# KiCad board USB Cable Tester.kicad_pcb (continued)
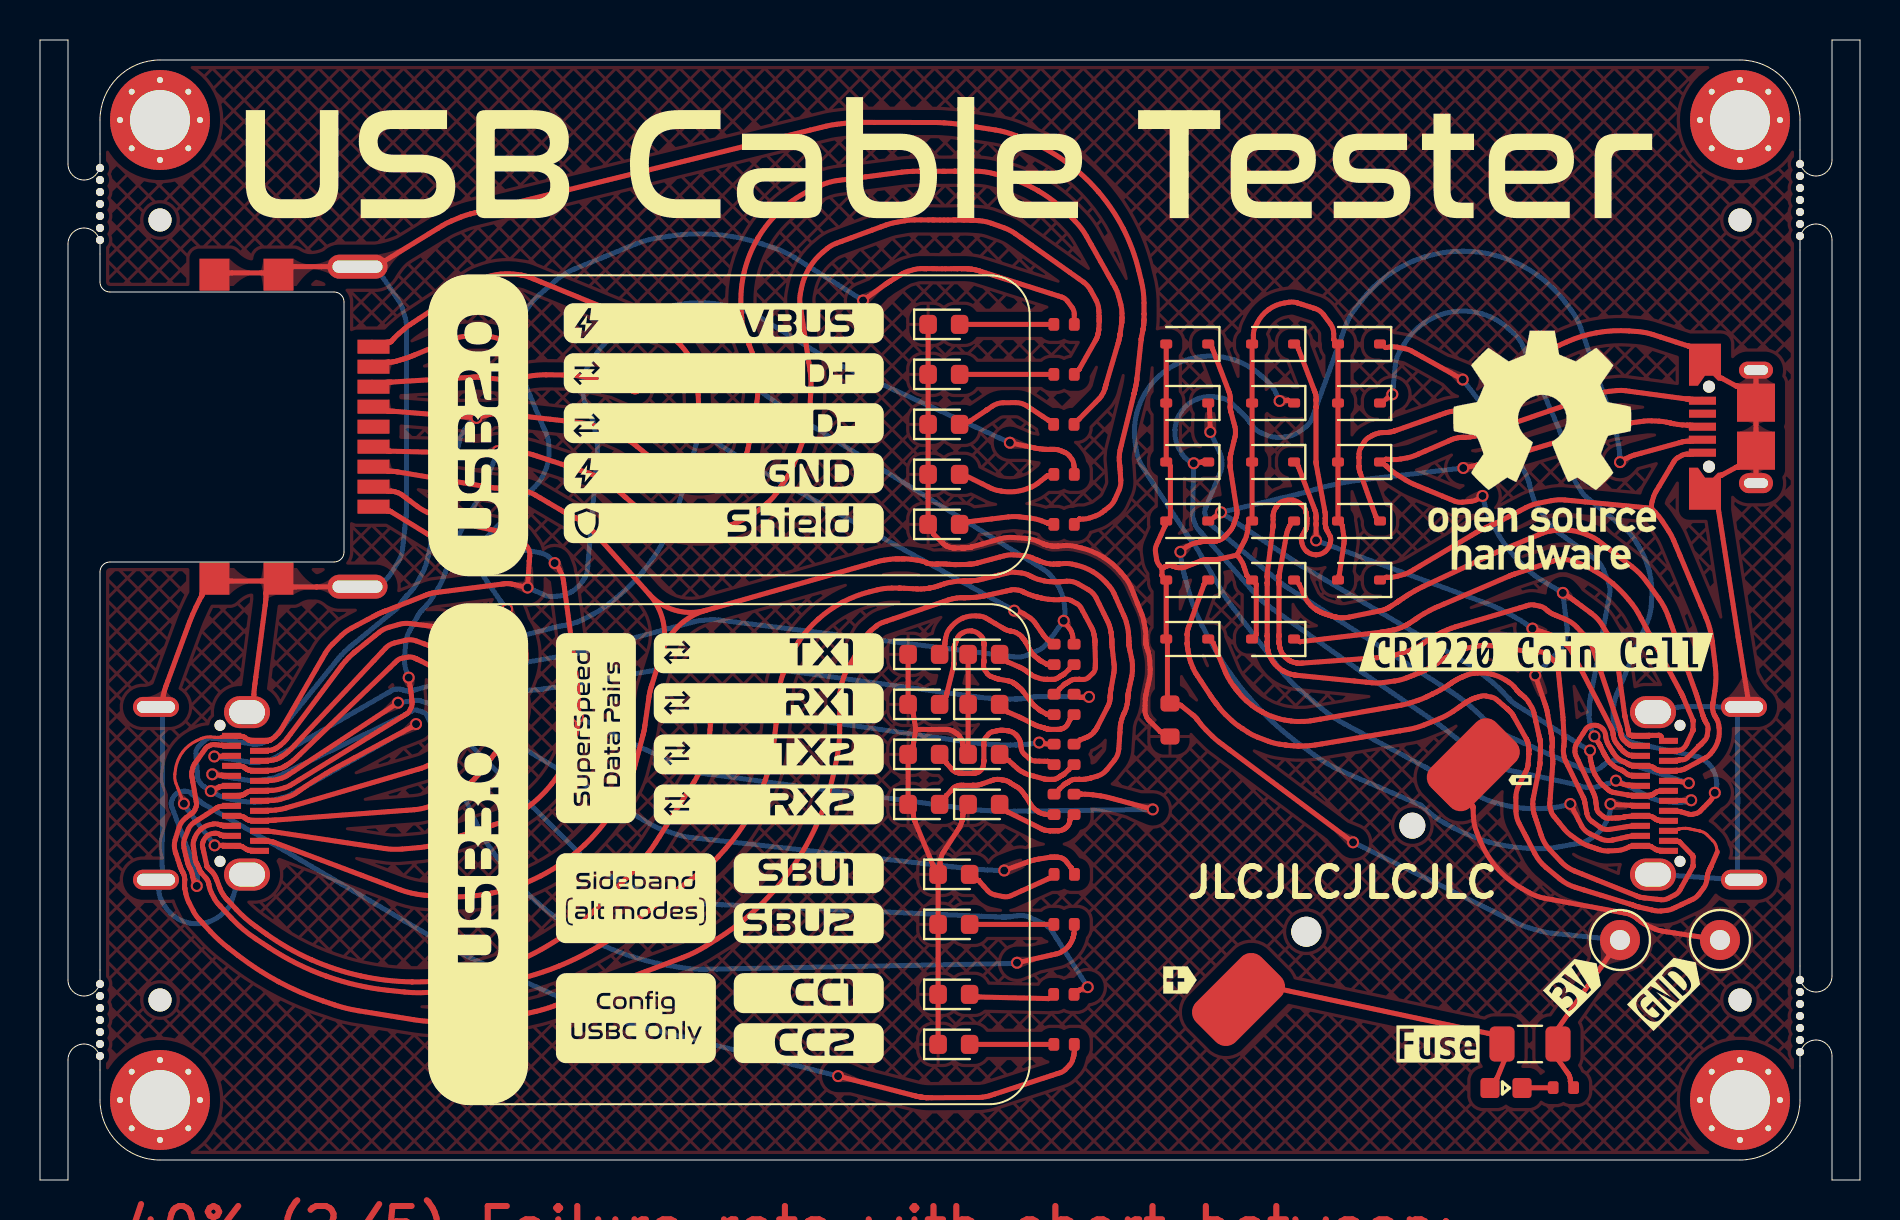
[diagram p0: board, top side]
## Routing (per net, layer and track width the routed paths; a pad name or vN(x,y) marks a point on that pad's centre or on a via; arc(x,y) is an arc through that point) (continued)
Net-(D20-K): length 24.5
  Top w0.25: v1(74.62,27.57) 75.66,27.22 arc(75.85,27.13) 76.02,27.01 76.34,26.74 arc(76.48,26.59) 76.59,26.42 76.88,25.86 78.58,22.58 arc(78.6,22.54) 78.61,22.5 78.64,22.41 arc(78.65,22.37) 78.65,22.33 78.66,22.29 arc(78.66,22.28) 78.66,22.27 arc(78.66,22.26) 78.66,22.26 78.67,22.2 arc(78.68,22.14) 78.7,22.08 78.75,21.96 arc(78.78,21.9) 78.81,21.85 79,21.61 arc(79,21.61) 79.01,21.6 79.02,21.59 arc(79.02,21.59) 79.03,21.58 arc(79.03,21.58) 79.03,21.58 79.14,21.46 arc(79.15,21.45) 79.16,21.44 79.18,21.42 arc(79.2,21.41) 79.21,21.4 79.38,21.28 arc(79.4,21.27) 79.43,21.26 79.48,21.24 arc(79.5,21.24) 79.52,21.23 79.61,21.23 arc(79.67,21.23) 79.74,21.23 J4.A10 ; 62.91,35.68 62.91,35.68 arc(62.92,35.68) 62.92,35.67 63.76,33.45 arc(63.78,33.41) 63.79,33.36 63.8,33.28 arc(63.81,33.24) 63.81,33.19 63.81,33.15 arc(63.81,33.15) 63.81,33.14 63.8,33.13 arc(63.8,33.12) 63.8,33.11 arc(63.8,33.11) 63.8,33.1 63.8,33.08 arc(63.8,33.06) 63.8,33.04 63.8,32.85 arc(63.8,32.84) 63.8,32.82 63.8,32.82 arc(63.8,32.8) 63.8,32.79 arc(63.8,32.78) 63.8,32.77 63.8,32.76 arc(63.8,32.74) 63.8,32.72 v1(63.8,31.98)
  Bottom w0.25: v1(74.62,27.57) 74.32,27.79 arc(74.02,27.99) 73.7,28.17 73.05,28.51 arc(72.72,28.67) 72.38,28.81 71.35,29.19 v1(63.8,31.98)
Net-(D21-K): length 49.2
  Top w0.25: J4.A3 79.74,17.69 arc(79.67,17.68) 79.61,17.68 79.53,17.68 arc(79.51,17.68) 79.48,17.68 79.44,17.68 arc(79.42,17.68) 79.4,17.67 78.47,17.53 arc(78.23,17.54) 78.01,17.64 77.6,17.93 arc(77.43,18.1) 77.34,18.32 77.23,18.96 arc(77.22,18.98) 77.21,19 77.2,19.05 arc(77.19,19.07) 77.18,19.1 77.15,19.16 76.39,20.72 76.26,20.98 arc(76.23,21.07) 76.21,21.17 76.17,21.36 arc(76.17,21.45) 76.17,21.55 76.18,21.64 arc(76.18,21.65) 76.19,21.66 arc(76.19,21.67) 76.19,21.68 76.19,21.72 arc(76.2,21.78) 76.2,21.84 76.21,21.95 arc(76.21,22.01) 76.21,22.06 76.16,22.99 arc(76.15,23.07) 76.15,23.15 arc(76.14,23.22) 76.13,23.3 75.97,24.89 75.9,25.58 arc(75.84,25.79) 75.71,25.96 75.35,26.27 arc(75.16,26.38) 74.95,26.41 74.64,26.4 arc(74.61,26.4) 74.58,26.4 74.52,26.4 arc(74.49,26.41) 74.46,26.41 74.38,26.42 73.51,26.56 72.57,26.72 arc(72.25,26.74) 71.94,26.71 71.31,26.59 arc(71.01,26.5) 70.73,26.37 70.25,26.08 70.18,26.04 arc(70.1,26) 70.03,25.95 69.93,25.88 arc(69.91,25.87) 69.89,25.86 69.8,25.8 arc(69.72,25.74) 69.63,25.69 69.46,25.6 arc(69.38,25.55) 69.29,25.51 69.15,25.44 arc(69.1,25.42) 69.05,25.4 68.93,25.34 arc(68.81,25.3) 68.69,25.25 68.3,25.1 arc(68.03,25.01) 67.75,24.95 67.17,24.87 arc(66.88,24.85) 66.59,24.86 62.88,25.23 arc(62.84,25.24) 62.79,25.24 62.75,25.25 arc(62.75,25.25) 62.75,25.25 62.68,25.26 arc(62.61,25.27) 62.54,25.29 62.4,25.34 arc(62.33,25.36) 62.27,25.4 62.21,25.43 arc(62.21,25.43) 62.2,25.43 arc(62.2,25.43) 62.2,25.43 62.2,25.44 arc(62.19,25.44) 62.19,25.44 arc(62.19,25.44) 62.19,25.44 62.12,25.48 arc(62.05,25.52) 61.99,25.57 61.87,25.67 arc(61.81,25.72) 61.76,25.78 61.71,25.84 arc(61.71,25.84) 61.71,25.85 arc(61.7,25.85) 61.7,25.85 61.65,25.91 arc(61.6,25.98) 61.56,26.06 61.48,26.21 arc(61.45,26.29) 61.43,26.37 61.41,26.45 arc(61.41,26.45) 61.4,26.45 arc(61.4,26.46) 61.4,26.46 61.39,26.5 arc(61.38,26.55) 61.38,26.59 61.37,26.68 arc(61.36,26.73) 61.36,26.78 61.36,26.79 arc(61.36,26.82) 61.36,26.86 61.36,26.89 arc(61.36,26.89) 61.36,26.89 arc(61.36,26.89) 61.36,26.89 61.36,26.91 arc(61.36,26.91) 61.36,26.91 61.36,26.92 arc(61.36,26.94) 61.36,26.95 61.36,27.15 arc(61.36,27.16) 61.36,27.18 61.36,27.19 arc(61.36,27.19) 61.36,27.19 61.36,27.21 arc(61.36,27.21) 61.36,27.21 arc(61.36,27.21) 61.36,27.21 61.36,27.24 arc(61.36,27.28) 61.36,27.31 61.36,29.74 arc(61.36,29.77) 61.36,29.81 61.36,29.84 arc(61.36,29.84) 61.36,29.84 arc(61.36,29.84) 61.36,29.84 61.36,29.86 arc(61.36,29.86) 61.36,29.86 61.36,29.87 arc(61.36,29.89) 61.36,29.9 61.36,30.1 arc(61.36,30.11) 61.36,30.13 61.36,30.19 arc(61.36,30.19) 61.36,30.19 arc(61.36,30.2) 61.36,30.2 61.36,30.22 arc(61.36,30.24) 61.36,30.26 61.36,30.3 arc(61.36,30.32) 61.37,30.35 61.65,32.66 arc(61.65,32.67) 61.65,32.68 61.65,32.71 arc(61.65,32.72) 61.66,32.73 61.66,33.23 arc(61.66,33.3) 61.68,33.36 61.72,33.49 arc(61.74,33.55) 61.78,33.6 61.9,33.76 arc(61.98,33.85) 62.08,33.91 62.2,33.95 arc(62.42,34) 62.66,33.99 arc(62.88,33.91) 63.07,33.77 63.16,33.69 arc(63.23,33.6) 63.28,33.49 63.31,33.37 arc(63.31,33.37) 63.31,33.37 63.31,33.36 arc(63.31,33.34) 63.32,33.32 63.32,33.29 arc(63.32,33.28) 63.33,33.26 63.34,33.1 arc(63.34,33.09) 63.34,33.09 arc(63.34,33.08) 63.34,33.08 63.34,33.07 arc(63.34,33.07) 63.34,33.07 63.34,32.95 63.34,32.85 arc(63.34,32.84) 63.34,32.83 arc(63.34,32.82) 63.34,32.8 63.33,32.68 arc(63.33,32.67) 63.33,32.65 63.32,32.61 arc(63.31,32.6) 63.31,32.58 63.3,32.57 arc(63.3,32.56) 63.3,32.56 63.3,32.56 arc(63.3,32.55) 63.29,32.55 arc(63.29,32.54) 63.29,32.54 63.28,32.53 arc(63.28,32.52) 63.28,32.52 arc(63.28,32.51) 63.27,32.51 63.11,32.21 arc(63.07,32.1) 63.07,31.98 63.1,31.85 arc(63.18,31.62) 63.34,31.43 arc(63.55,31.3) 63.79,31.26 arc(64.04,31.3) 64.25,31.42 arc(64.42,31.6) 64.51,31.83 64.53,31.96 arc(64.54,32.08) 64.5,32.2 64.32,32.54 arc(64.31,32.56) 64.31,32.57 64.29,32.61 arc(64.29,32.63) 64.29,32.65 64.27,32.74 arc(64.27,32.75) 64.27,32.75 arc(64.27,32.75) 64.27,32.76 64.27,32.8 arc(64.26,32.81) 64.26,32.81 64.26,32.82 arc(64.26,32.83) 64.26,32.83 64.26,32.95 64.26,33.05 arc(64.26,33.06) 64.26,33.07 arc(64.26,33.08) 64.26,33.09 arc(64.26,33.1) 64.27,33.11 64.27,33.14 arc(64.27,33.18) 64.27,33.22 64.26,33.3 arc(64.26,33.34) 64.25,33.38 64.23,33.49 63.82,35.74 arc(63.82,35.76) 63.81,35.77 arc(63.81,35.79) 63.81,35.81 63.8,35.85 arc(63.8,35.86) 63.8,35.88 63.8,38.64 arc(63.8,38.64) 63.8,38.64 63.8,38.65 arc(63.8,38.65) 63.8,38.66 63.8,38.94 arc(63.8,38.96) 63.8,38.99 63.8,39.01 arc(63.8,39.01) 63.8,39.02 63.81,39.07 arc(63.81,39.12) 63.8,39.17 63.79,39.26 arc(63.78,39.31) 63.76,39.36 63.71,39.49 62.92,41.57 arc(62.92,41.58) 62.91,41.58 62.91,41.58
Net-(D22-K): length 45.8
  Top w0.25: v1(61.98,38.95) 62.4,38.98 arc(62.4,38.98) 62.41,38.98 62.41,38.98 ; J4.A2 79.74,17.19 arc(79.67,17.18) 79.61,17.18 79.53,17.18 arc(79.52,17.18) 79.5,17.18 79.47,17.18 arc(79.45,17.18) 79.43,17.17 78.61,16.99 arc(78.32,16.98) 78.04,17.06 77.49,17.31 arc(77.25,17.48) 77.08,17.71 v1(76.52,18.8)
  Bottom w0.25: v1(61.98,38.95) 61.81,39.33 arc(61.61,39.66) 61.35,39.95 61.06,40.22 arc(60.43,40.68) 59.72,41 arc(58.96,41.17) 58.18,41.18 arc(57.42,41.03) 56.7,40.73 arc(56.06,40.29) 55.52,39.73 arc(55.11,39.07) 54.84,38.34 arc(54.72,37.57) 54.77,36.79 54.83,36.4 arc(54.94,36.02) 55.11,35.68 55.62,34.89 arc(55.64,34.86) 55.66,34.83 arc(55.68,34.81) 55.69,34.78 57.3,32.34 57.37,32.22 arc(57.4,32.19) 57.43,32.15 57.49,32.08 arc(57.52,32.04) 57.55,32.01 57.61,31.94 arc(57.63,31.92) 57.64,31.9 57.67,31.87 arc(57.68,31.85) 57.69,31.83 57.73,31.77 59.12,29.41 59.24,29.2 arc(59.28,29.13) 59.33,29.07 59.42,28.93 arc(59.46,28.87) 59.51,28.8 59.65,28.61 60.68,27.27 61.55,26.13 61.98,25.56 arc(62.44,25.02) 62.96,24.53 64.04,23.61 arc(64.61,23.18) 65.22,22.81 67.11,21.8 69.24,20.65 69.34,20.6 arc(69.37,20.59) 69.4,20.57 69.46,20.53 arc(69.49,20.51) 69.52,20.49 69.74,20.34 arc(69.9,20.23) 70.06,20.13 70.4,19.93 arc(70.57,19.84) 70.75,19.75 72.2,19.07 arc(72.47,18.96) 72.75,18.87 73.03,18.79 arc(73.6,18.67) 74.17,18.59 arc(74.75,18.56) 75.34,18.59 75.63,18.61 arc(75.91,18.65) 76.2,18.71 v1(76.52,18.8)
Net-(D23-A): length 6.9
  Top w0.25: 45.24,26.75 45.24,26.77 arc(45.24,26.8) 45.24,26.82 45.24,26.83 arc(45.25,26.86) 45.25,26.9 45.26,26.96 arc(45.26,26.99) 45.27,27.03 45.28,27.08 arc(45.28,27.08) 45.28,27.08 arc(45.28,27.08) 45.28,27.08 45.32,27.25 arc(45.38,27.41) 45.48,27.56 45.59,27.69 arc(45.84,27.92) 46.14,28.09 arc(46.47,28.19) 46.81,28.2 46.98,28.19 arc(47.15,28.16) 47.31,28.09 47.76,27.82 48.22,27.55 arc(48.27,27.53) 48.31,27.51 48.4,27.47 arc(48.45,27.46) 48.5,27.45 48.54,27.44 arc(48.55,27.44) 48.55,27.44 arc(48.56,27.44) 48.57,27.44 48.65,27.43 arc(48.73,27.4) 48.81,27.37 48.96,27.28 arc(49.03,27.23) 49.09,27.17 49.21,27 arc(49.22,26.99) 49.23,26.97 49.26,26.94 arc(49.27,26.92) 49.28,26.91 49.54,26.43 arc(49.56,26.39) 49.59,26.35 49.65,26.28 arc(49.68,26.25) 49.72,26.21 49.89,26.07 arc(49.9,26.06) 49.91,26.05 49.91,26.05 arc(49.92,26.04) 49.93,26.04 arc(49.94,26.03) 49.95,26.02 49.95,26.02 arc(49.96,26.01) 49.98,26 50.01,25.98 arc(50.02,25.97) 50.03,25.96 50.32,25.8 arc(50.32,25.8) 50.32,25.8 arc(50.32,25.8) 50.33,25.79 50.33,25.79 arc(50.33,25.79) 50.33,25.79 arc(50.34,25.79) 50.34,25.79 50.38,25.77
Net-(D24-K): length 35.3
  Top w0.25: J4.B5 81.71,19.94 arc(81.77,19.93) 81.84,19.93 81.91,19.93 arc(81.93,19.93) 81.94,19.93 81.97,19.93 arc(81.99,19.93) 82,19.93 v1(82.44,19.84) ; 58.47,38.62 58.47,38.62 arc(58.47,38.62) 58.47,38.62 58.47,38.61 arc(58.47,38.6) 58.47,38.6 arc(58.47,38.59) 58.47,38.59 v1(58.52,37.4)
  Bottom w0.25: v1(58.52,37.4) 58.84,36.68 59.02,36.29 arc(59.07,36.15) 59.09,36.01 59.09,35.72 arc(59.08,35.57) 59.04,35.43 58.87,35.03 58.42,33.93 58.27,33.57 arc(58.24,33.44) 58.25,33.32 58.31,33.07 arc(58.36,32.95) 58.44,32.85 58.74,32.6 62.07,29.83 arc(62.11,29.8) 62.14,29.78 62.21,29.73 arc(62.25,29.7) 62.28,29.68 62.4,29.61 70.13,24.68 70.65,24.35 arc(70.82,24.24) 70.98,24.12 71.3,23.87 arc(71.46,23.74) 71.62,23.6 72.59,22.69 arc(72.7,22.6) 72.81,22.52 73.05,22.37 arc(73.17,22.3) 73.29,22.24 73.68,22.07 76.99,20.61 77.04,20.59 arc(77.06,20.58) 77.08,20.57 77.12,20.56 arc(77.14,20.55) 77.16,20.54 77.18,20.54 arc(77.18,20.53) 77.19,20.53 arc(77.19,20.53) 77.2,20.53 77.32,20.49 arc(77.44,20.47) 77.57,20.48 77.82,20.53 arc(77.94,20.57) 78.05,20.63 78.14,20.72 arc(78.15,20.72) 78.15,20.72 arc(78.15,20.73) 78.16,20.73 78.25,20.8 arc(78.34,20.87) 78.45,20.91 78.69,20.96 arc(78.81,20.98) 78.92,20.96 79.03,20.93 arc(79.04,20.93) 79.05,20.93 arc(79.05,20.93) 79.06,20.93 79.13,20.91 arc(79.2,20.89) 79.27,20.87 v1(82.44,19.84)
Net-(D25-K): length 43.4
  Top w0.25: 58.62,41.58 58.62,41.58 arc(58.62,41.58) 58.62,41.57 59.42,39.49 59.47,39.36 arc(59.48,39.31) 59.49,39.26 59.51,39.17 arc(59.51,39.12) 59.51,39.07 59.51,39.02 arc(59.51,39.01) 59.51,39.01 59.51,38.99 arc(59.51,38.96) 59.51,38.94 59.51,38.63 arc(59.51,38.6) 59.51,38.58 59.52,38.52 arc(59.52,38.49) 59.53,38.47 59.75,37.65 arc(59.76,37.57) 59.77,37.5 59.77,37.34 arc(59.77,37.26) 59.75,37.18 59.53,36.27 arc(59.53,36.26) 59.53,36.25 59.52,36.22 arc(59.52,36.21) 59.52,36.19 59.52,36.16 arc(59.51,36.14) 59.51,36.12 59.51,36.12 arc(59.51,36.09) 59.51,36.07 59.51,36.07 arc(59.51,36.05) 59.51,36.03 arc(59.51,36.01) 59.51,35.99 59.51,35.69 arc(59.51,35.68) 59.51,35.66 59.51,35.63 arc(59.51,35.61) 59.51,35.6 59.52,35.55 59.82,33.6 59.85,33.46 arc(59.85,33.41) 59.85,33.36 59.84,33.27 arc(59.83,33.22) 59.82,33.17 59.68,32.75 arc(59.66,32.69) 59.63,32.64 59.57,32.55 arc(59.54,32.5) 59.51,32.46 59.24,32.17 arc(59.2,32.13) 59.15,32.1 59.06,32.04 arc(59.01,32.01) 58.95,31.99 58.83,31.96 arc(58.81,31.95) 58.78,31.94 58.72,31.94 arc(58.7,31.93) 58.67,31.93 58.31,31.93 arc(58.27,31.93) 58.23,31.93 58.15,31.92 arc(58.11,31.92) 58.07,31.91 57.78,31.86 arc(57.66,31.82) 57.55,31.77 57.32,31.65 arc(57.22,31.59) 57.12,31.51 v1(57.02,31.41) ; v1(78.52,18.8) 78.53,18.8 arc(78.54,18.8) 78.55,18.8 78.56,18.79 arc(78.59,18.79) 78.62,18.78 78.67,18.78 arc(78.69,18.77) 78.72,18.77 78.8,18.77 79.52,18.73 arc(79.53,18.73) 79.54,18.73 arc(79.55,18.73) 79.56,18.73 79.61,18.73 arc(79.67,18.73) 79.74,18.73 J4.A5
  Bottom w0.25: v1(78.52,18.8) 78.52,18.62 arc(78.51,18.45) 78.46,18.28 78.4,18.11 arc(78.26,17.8) 78.06,17.51 arc(77.81,17.26) 77.52,17.06 77.37,16.97 arc(77.21,16.9) 77.04,16.85 75.8,16.63 arc(75.32,16.57) 74.84,16.57 74.36,16.59 arc(73.4,16.69) 72.46,16.89 arc(71.55,17.2) 70.67,17.61 70.25,17.84 arc(69.84,18.09) 69.46,18.38 69.08,18.71 arc(69.07,18.72) 69.07,18.72 arc(69.07,18.72) 69.06,18.72 69.05,18.73 arc(69.05,18.73) 69.05,18.73 65.21,20.39 arc(64.44,20.78) 63.71,21.25 63.01,21.76 arc(61.68,22.86) 60.47,24.1 arc(59.41,25.47) 58.52,26.95 58.11,27.72 arc(57.74,28.5) 57.47,29.32 57.23,30.23 57.19,30.34 arc(57.16,30.48) 57.13,30.63 57.08,30.93 arc(57.05,31.07) 57.04,31.22 v1(57.02,31.41)
Net-(D26-K): length 61.2
  Top w0.25: 84.05,40.09 84.06,40.09 arc(84.07,40.09) 84.07,40.09 84.09,40.09 arc(84.1,40.08) 84.1,40.08 arc(84.11,40.08) 84.12,40.07 84.78,39.71 arc(84.79,39.71) 84.8,39.7 arc(84.8,39.7) 84.81,39.7 84.83,39.69 arc(84.83,39.69) 84.84,39.69 84.91,39.69 arc(84.97,39.68) 85.02,39.65 85.51,39.16 ; 85.51,39.16 arc(85.69,39.12) 85.8,39.28 ; 85.51,39.16 arc(85.72,38.84) 85.8,38.45 ; 82.45,41.69 82.45,41.69 arc(82.44,41.69) 82.44,41.69 82.43,41.69 arc(82.42,41.69) 82.42,41.7 arc(82.41,41.7) 82.41,41.7 80.65,42.27 arc(80.26,42.37) 79.86,42.42 79.45,42.45 arc(78.65,42.46) 77.85,42.37 arc(77.07,42.18) 76.31,41.89 75.94,41.73 arc(75.59,41.54) 75.25,41.31 74.3,40.56 72.28,38.97 71.98,38.74 arc(71.88,38.67) 71.77,38.62 71.53,38.53 arc(71.41,38.5) 71.28,38.49 71.01,38.49 arc(70.89,38.48) 70.78,38.47 70.54,38.42 arc(70.43,38.4) 70.31,38.36 67.82,37.48 arc(67.79,37.48) 67.77,37.47 arc(67.74,37.46) 67.72,37.45 67.63,37.42 arc(67.58,37.41) 67.54,37.4 67.44,37.39 arc(67.39,37.38) 67.35,37.38 67.31,37.38 arc(67.3,37.38) 67.29,37.38 arc(67.28,37.38) 67.27,37.38 arc(67.26,37.38) 67.24,37.37 67.09,37.37 arc(67.02,37.36) 66.95,37.35 66.81,37.31 arc(66.74,37.28) 66.67,37.25 66.44,37.13 arc(66.31,37.03) 66.21,36.9 66.04,36.61 arc(65.97,36.46) 65.95,36.29 65.95,36.13 65.95,35.69 arc(65.95,35.69) 65.95,35.69 65.95,35.69 arc(65.95,35.68) 65.95,35.68 65.95,35.64 arc(65.95,35.6) 65.96,35.57 65.97,35.49 arc(65.98,35.46) 65.99,35.42 66.03,35.31 66.79,33.18 arc(66.79,33.17) 66.79,33.17 66.79,33.17 ; 85.8,36.05 J3.6 ; 85.8,36.05 85.8,36.88 ; 85.8,36.05 arc(85.69,36.21) 85.51,36.18 ; 85.8,39.28 85.8,38.45 ; 85.8,39.28 J3.6 ; 85.8,38.45 85.8,36.88 ; 85.8,36.88 arc(85.72,36.5) 85.51,36.18 ; 84.05,35.24 84.06,35.24 arc(84.07,35.24) 84.07,35.24 84.09,35.25 arc(84.1,35.25) 84.1,35.25 arc(84.11,35.26) 84.12,35.26 84.78,35.62 arc(84.79,35.63) 84.8,35.63 arc(84.8,35.63) 84.81,35.64 84.83,35.64 arc(84.83,35.64) 84.84,35.64 84.91,35.64 arc(84.97,35.65) 85.02,35.69 85.51,36.18 ; 83.92,33.52 83.92,33.51 arc(83.93,33.51) 83.93,33.51 83.93,33.5 arc(83.93,33.5) 83.93,33.5 arc(83.93,33.5) 83.93,33.5 84.91,27.15 arc(84.91,27.11) 84.92,27.08 84.92,27.05 arc(84.92,27.04) 84.92,27.04 arc(84.92,27.03) 84.93,27.03 84.94,26.95 arc(84.95,26.87) 84.97,26.79 85.38,24.19 arc(85.4,24.1) 85.41,24.01 arc(85.42,23.91) 85.43,23.82 85.44,23.78 arc(85.41,23.69) 85.33,23.65 J4.S1
  Bottom w0.25: J4.S1 80.99,23.39 arc(81,23.39) 81.01,23.4 arc(81.02,23.4) 81.03,23.4 81.19,23.47 arc(81.37,23.53) 81.55,23.58 81.92,23.64 arc(82.11,23.67) 82.29,23.68 82.86,23.67 84.23,23.66 arc(84.55,23.65) 84.88,23.65 85.04,23.65 arc(84.92,23.61) 84.87,23.49 84.87,21.21 84.87,19.92 arc(84.87,19.89) 84.88,19.86 arc(84.88,19.84) 84.88,19.81 84.89,19.08 84.89,19 arc(84.89,18.98) 84.89,18.95 84.89,18.9 arc(84.89,18.88) 84.89,18.85 84.88,18.81 arc(84.88,18.8) 84.88,18.79 84.88,18.69 arc(84.88,18.59) 84.87,18.48 84.87,17.26 84.87,15.18 arc(84.92,15.06) 85.04,15.01 84.56,15.01 arc(84.55,15.01) 84.54,15.02 84.49,15.02 arc(84.45,15.03) 84.41,15.04 84.33,15.05 arc(84.29,15.05) 84.25,15.05 84.13,15.06 81.17,15.26 arc(81,15.27) 80.82,15.27 J4.S1
Net-(D27-A): length 4
  Top w0.25: 50.42,40.28 46.42,40.28
Net-(D28-K): length 77.4
  Top w0.25: v1(82.56,18.99) 82.55,18.99 arc(82.55,18.99) 82.54,18.98 82.53,18.98 arc(82.52,18.98) 82.51,18.98 82.48,18.98 arc(82.47,18.98) 82.46,18.98 81.84,18.98 arc(81.77,18.98) 81.71,18.98 J4.B7 ; v1(57.69,35.84) 57.69,35.84 arc(57.69,35.84) 57.69,35.84 57.73,35.84 arc(57.78,35.85) 57.82,35.86 58.09,35.9 arc(58.09,35.9) 58.1,35.9 arc(58.1,35.9) 58.1,35.9 58.1,35.9 arc(58.11,35.9) 58.11,35.9 58.11,35.9 ; v1(78.8,19.97) 78.8,19.96 arc(78.81,19.96) 78.81,19.96 78.88,19.91 arc(78.95,19.87) 79.03,19.84 79.19,19.78 arc(79.27,19.76) 79.35,19.75 79.44,19.74 arc(79.45,19.74) 79.46,19.74 79.47,19.74 arc(79.48,19.74) 79.49,19.74 arc(79.5,19.73) 79.51,19.73 79.52,19.73 arc(79.55,19.73) 79.58,19.73 79.61,19.73 arc(79.67,19.73) 79.74,19.73 J4.A7 ; J3.2 82.64,36.95 arc(82.57,36.94) 82.51,36.94 82.4,36.94 arc(82.35,36.94) 82.3,36.94 82.21,36.92 arc(82.16,36.91) 82.11,36.9 81.97,36.86 80.05,36.34 79.72,36.25 arc(79.62,36.21) 79.51,36.17 79.31,36.08 arc(79.21,36.03) 79.11,35.97 79.02,35.91 arc(79.02,35.91) 79.01,35.9 v1(79,35.89)
  Bottom w0.25: v1(82.56,18.99) 82.56,18.99 arc(82.55,18.99) 82.55,18.99 82.27,18.92 arc(81.98,18.87) 81.68,18.88 81.09,18.95 arc(80.81,19.01) 80.53,19.12 79.04,19.88 arc(79.01,19.9) 78.98,19.91 78.91,19.94 arc(78.88,19.95) 78.85,19.96 78.82,19.96 arc(78.81,19.96) 78.81,19.97 v1(78.8,19.97) 78.7,19.92 arc(78.65,19.9) 78.59,19.88 78.48,19.84 arc(78.42,19.82) 78.36,19.8 78.29,19.79 arc(78.28,19.78) 78.27,19.78 78.26,19.78 arc(78.23,19.77) 78.21,19.76 77.9,19.67 arc(77.76,19.64) 77.61,19.63 77.32,19.64 arc(77.18,19.65) 77.04,19.69 76.86,19.75 arc(76.84,19.75) 76.83,19.76 arc(76.81,19.76) 76.8,19.77 76.77,19.78 arc(76.76,19.78) 76.74,19.78 arc(76.73,19.79) 76.71,19.79 74.29,20.31 73.45,20.49 arc(73.18,20.56) 72.92,20.67 72.41,20.91 arc(72.16,21.04) 71.93,21.21 71.27,21.73 70.13,22.64 arc(70.07,22.68) 70.02,22.72 69.91,22.8 arc(69.85,22.84) 69.8,22.88 69.63,22.99 66.23,25.3 arc(66.13,25.36) 66.04,25.43 arc(65.94,25.49) 65.85,25.56 61.65,28.54 61.36,28.74 arc(61.27,28.82) 61.18,28.89 61.01,29.05 arc(60.92,29.13) 60.84,29.21 60.61,29.48 58.1,32.32 arc(58.08,32.34) 58.06,32.36 58.05,32.38 arc(58.04,32.39) 58.04,32.39 57.93,32.5 arc(57.85,32.61) 57.78,32.74 57.68,33 arc(57.64,33.13) 57.63,33.27 57.64,33.69 v1(57.69,35.84) 57.68,35.84 arc(57.67,35.84) 57.66,35.85 57.44,35.97 arc(57.24,36.12) 57.09,36.32 56.97,36.54 arc(56.79,37.01) 56.75,37.51 arc(56.85,38) 57.08,38.44 arc(57.43,38.8) 57.87,39.05 arc(58.35,39.17) 58.85,39.14 59.11,39.09 arc(59.34,39.01) 59.55,38.86 60.14,38.3 arc(60.19,38.25) 60.24,38.19 60.35,38.08 arc(60.4,38.02) 60.44,37.96 60.65,37.67 arc(60.83,37.49) 61.04,37.37 61.27,37.27 arc(61.75,37.14) 62.24,37.14 arc(62.71,37.28) 63.13,37.54 63.33,37.69 arc(63.49,37.87) 63.61,38.09 63.87,38.81 64.76,41.27 65.27,42.68 arc(65.47,43.13) 65.74,43.54 66.05,43.93 arc(66.71,44.67) 67.47,45.29 arc(68.32,45.79) 69.24,46.15 arc(70.2,46.37) 71.18,46.44 arc(72.16,46.36) 73.12,46.13 arc(74.03,45.75) 74.88,45.24 arc(75.63,44.6) 76.28,43.86 76.58,43.46 arc(76.84,43.05) 77.04,42.59 77.53,41.18 78.38,38.71 78.67,37.9 arc(78.75,37.62) 78.82,37.34 78.92,36.78 arc(78.97,36.49) 78.99,36.21 79,35.93 arc(79,35.92) 79,35.91 v1(79,35.89)
Net-(D29-K): length 44.9
  Top w0.15: J4.B10 81.79,17.53 arc(81.82,17.53) 81.86,17.53 81.9,17.53 arc(81.9,17.53) 81.91,17.53 81.91,17.53 arc(81.91,17.53) 81.92,17.54 arc(81.92,17.54) 81.92,17.54 81.93,17.54 arc(81.93,17.54) 81.94,17.54 82,17.56 arc(82.07,17.57) 82.14,17.58 82.27,17.58 arc(82.34,17.58) 82.41,17.57 82.69,17.51 83.01,17.45 arc(83.2,17.38) 83.35,17.26 83.64,16.97 arc(83.76,16.81) 83.83,16.62 83.87,16.43 arc(83.87,16.42) 83.87,16.42 arc(83.87,16.41) 83.87,16.41
  Top w0.25: 83.87,16.41 83.57,15.71 arc(83.56,15.7) 83.56,15.69 arc(83.55,15.68) 83.54,15.67 83.53,15.64 arc(83.53,15.63) 83.52,15.62 83.52,15.61 arc(83.51,15.61) 83.51,15.6 arc(83.51,15.59) 83.5,15.59 83.48,15.55 arc(83.46,15.5) 83.44,15.45 83.4,15.34 arc(83.39,15.29) 83.38,15.24 83.37,15.19 arc(83.37,15.18) 83.37,15.18 arc(83.37,15.18) 83.37,15.18 83.36,15.17 arc(83.36,15.16) 83.36,15.16 83.33,14.96 arc(83.28,14.78) 83.18,14.61 82.95,14.29 arc(82.81,14.15) 82.65,14.04 82.05,13.76 81.64,13.56 arc(81.5,13.51) 81.35,13.48 81.04,13.45 arc(80.89,13.45) 80.74,13.47 79.99,13.64 79.9,13.66 arc(79.87,13.67) 79.84,13.68 79.78,13.7 arc(79.75,13.71) 79.72,13.72 79.66,13.74 arc(79.65,13.74) 79.63,13.75 79.6,13.76 arc(79.58,13.77) 79.56,13.77 79.51,13.79 78.06,14.23 76.77,14.63 arc(76.36,14.8) 76,15.05 75.3,15.63 arc(74.99,15.94) 74.75,16.31 74.22,17.31 73.95,17.83 arc(73.84,18.13) 73.8,18.45 73.79,19.11 arc(73.83,19.44) 73.94,19.74 74.34,20.53 arc(74.36,20.56) 74.37,20.59 74.39,20.66 arc(74.4,20.69) 74.4,20.73 74.41,20.83 74.44,21.28 arc(74.44,21.28) 74.44,21.29 arc(74.44,21.29) 74.44,21.3 74.44,21.31 arc(74.44,21.31) 74.44,21.31 arc(74.44,21.32) 74.44,21.32 74.44,21.46 arc(74.44,21.46) 74.44,21.47 74.44,21.49 arc(74.44,21.5) 74.44,21.5 74.44,21.52 arc(74.44,21.52) 74.44,21.53 arc(74.44,21.53) 74.44,21.54 74.41,21.8 arc(74.41,21.82) 74.4,21.84 74.39,21.88 arc(74.39,21.9) 74.38,21.91 74.34,22 arc(74.34,22.01) 74.33,22.02 arc(74.33,22.02) 74.33,22.03 74.32,22.04 arc(74.32,22.04) 74.32,22.05 arc(74.32,22.05) 74.31,22.06 73.64,23.26 arc(73.62,23.29) 73.6,23.32 73.56,23.37 arc(73.54,23.4) 73.51,23.42 73.41,23.52 arc(73.4,23.53) 73.38,23.54 73.37,23.55 arc(73.37,23.56) 73.36,23.56 73.36,23.56 arc(73.35,23.57) 73.35,23.57 arc(73.34,23.58) 73.33,23.58 72.83,24.02 arc(72.71,24.09) 72.58,24.14 72.31,24.2 arc(72.17,24.21) 72.03,24.19 71.82,24.12 arc(71.82,24.12) 71.81,24.12 arc(71.8,24.12) 71.79,24.11 71.7,24.08 arc(71.67,24.07) 71.65,24.06 71.6,24.04 arc(71.57,24.03) 71.55,24.02 71.36,23.92 arc(71.35,23.91) 71.33,23.9 71.31,23.88 arc(71.29,23.87) 71.28,23.86 71.25,23.84 arc(71.23,23.83) 71.22,23.82 71.14,23.77 arc(71.09,23.73) 71.04,23.7 70.66,23.43 arc(70.31,23.22) 69.95,23.05 69.19,22.75 arc(68.81,22.62) 68.42,22.53 67.21,22.33 64.11,21.81 63.76,21.75 arc(63.65,21.73) 63.53,21.72 63.29,21.7 arc(63.18,21.7) 63.06,21.7 62.85,21.7 arc(62.77,21.7) 62.69,21.71 62.53,21.72 arc(62.44,21.73) 62.36,21.74 62.29,21.75 arc(62.28,21.75) 62.28,21.75 arc(62.27,21.75) 62.27,21.75 61.99,21.79 arc(61.7,21.85) 61.43,21.93 60.89,22.14 arc(60.63,22.25) 60.38,22.4 60.14,22.56 arc(60.14,22.56) 60.13,22.56 arc(60.13,22.57) 60.12,22.57 59.94,22.69 arc(59.76,22.82) 59.59,22.97 59.27,23.28 arc(59.11,23.44) 58.97,23.61 58.84,23.79 arc(58.83,23.8) 58.83,23.8 58.8,23.84 arc(58.79,23.85) 58.78,23.86 58.74,23.91 arc(58.71,23.95) 58.68,23.99 58.62,24.07 arc(58.59,24.12) 58.56,24.16 58.04,24.95 57.79,25.34 arc(57.71,25.47) 57.65,25.61 57.53,25.9 arc(57.48,26.04) 57.45,26.19 57.37,26.64 arc(57.37,26.67) 57.37,26.69 57.36,26.75 arc(57.36,26.77) 57.36,26.8 57.36,26.83 arc(57.36,26.83) 57.36,26.83 57.36,26.84 arc(57.36,26.84) 57.36,26.84 57.36,27.26 arc(57.36,27.26) 57.36,27.26 57.36,27.27 arc(57.36,27.27) 57.36,27.27 57.36,27.32 arc(57.36,27.36) 57.37,27.4 57.38,27.49 arc(57.39,27.53) 57.4,27.57 58.2,29.77 arc(58.2,29.78) 58.2,29.78 58.2,29.78
Net-(D30-A): length 3.4
  Top w0.25: 48.38,25.91 48.38,25.91 arc(48.38,25.9) 48.38,25.9 48.38,25.9 arc(48.39,25.9) 48.39,25.9 49.03,25.62 arc(49.07,25.6) 49.11,25.58 49.19,25.54 arc(49.23,25.51) 49.26,25.49 49.55,25.27 arc(49.65,25.21) 49.76,25.16 49.99,25.08 arc(50.11,25.05) 50.23,25.04 50.35,25.03 arc(50.36,25.03) 50.36,25.03 50.37,25.03 arc(50.38,25.03) 50.4,25.03 50.68,25.03 arc(50.71,25.03) 50.75,25.04 50.81,25.06 arc(50.85,25.07) 50.88,25.09 51,25.18 arc(51.01,25.18) 51.02,25.19 51.04,25.2 arc(51.05,25.21) 51.07,25.21 51.07,25.22 arc(51.08,25.22) 51.08,25.22 arc(51.08,25.22) 51.09,25.22 arc(51.09,25.23) 51.09,25.23 51.1,25.23 arc(51.1,25.23) 51.11,25.23 arc(51.11,25.24) 51.11,25.24 51.15,25.26 arc(51.15,25.26) 51.16,25.27 arc(51.16,25.27) 51.17,25.27 51.18,25.28 arc(51.18,25.28) 51.19,25.29 51.2,25.3 arc(51.21,25.31) 51.22,25.31 arc(51.23,25.32) 51.24,25.33 51.44,25.52 arc(51.44,25.52) 51.44,25.52 51.44,25.52 arc(51.44,25.52) 51.44,25.53
Net-(D31-A): length 3.5
  Top w0.25: 46.92,9.15 46.92,9.15 arc(46.92,9.15) 46.92,9.15 50.41,9.07 arc(50.41,9.07) 50.41,9.07 arc(50.42,9.07) 50.42,9.07 50.42,9.07
Net-(D32-A): length 3.5
  Top w0.25: 50.42,12.78 46.92,12.78
Net-(D33-A): length 4
  Top w0.25: 46.91,14.98 46.91,14.98 arc(46.91,14.98) 46.91,14.98 46.91,14.98 arc(46.92,14.98) 46.92,14.98 46.92,14.98 arc(46.92,14.98) 46.93,14.98 46.93,14.98 arc(46.93,14.98) 46.93,14.98 arc(46.93,14.98) 46.93,14.97 46.93,14.97 arc(46.93,14.97) 46.93,14.97 46.94,14.97 arc(46.94,14.97) 46.94,14.96 arc(46.94,14.96) 46.94,14.96 47.39,14.46 arc(47.55,14.33) 47.74,14.26 48.15,14.17 arc(48.35,14.16) 48.55,14.21 50.43,15.07 arc(50.43,15.07) 50.43,15.07 50.44,15.07 arc(50.44,15.07) 50.44,15.07
Net-(D34-A): length 3.5
  Top w0.25: 50.42,6.78 46.92,6.78
Net-(LED1-K): length 0.8
  Top w0.25: 74.58,4.61 75.39,4.61

## Copper pours and planes (outline as drawn; the poured copper is in the pictures)
GND on Top, Bottom: 3,56 88,56 88,1 3,1

Small or netless copper shapes (teardrops, artwork), in the pictures only: 121 on Top, 67 on Bottom

## Text on the board
User.Drawings: - Less solder / - narrower pads / This should fix failure rate
Top: 40% (2/5) Failure rate with short between: / (D- <-> SBU2)x1 / (VBUS <-> RX1+, RX1-)x1
F.Silkscreen: JLCJLCJLCJLC
